# Altium PCB SAM_E54_Xplained_Pro.PcbDoc (part 2 of 5) (continued)
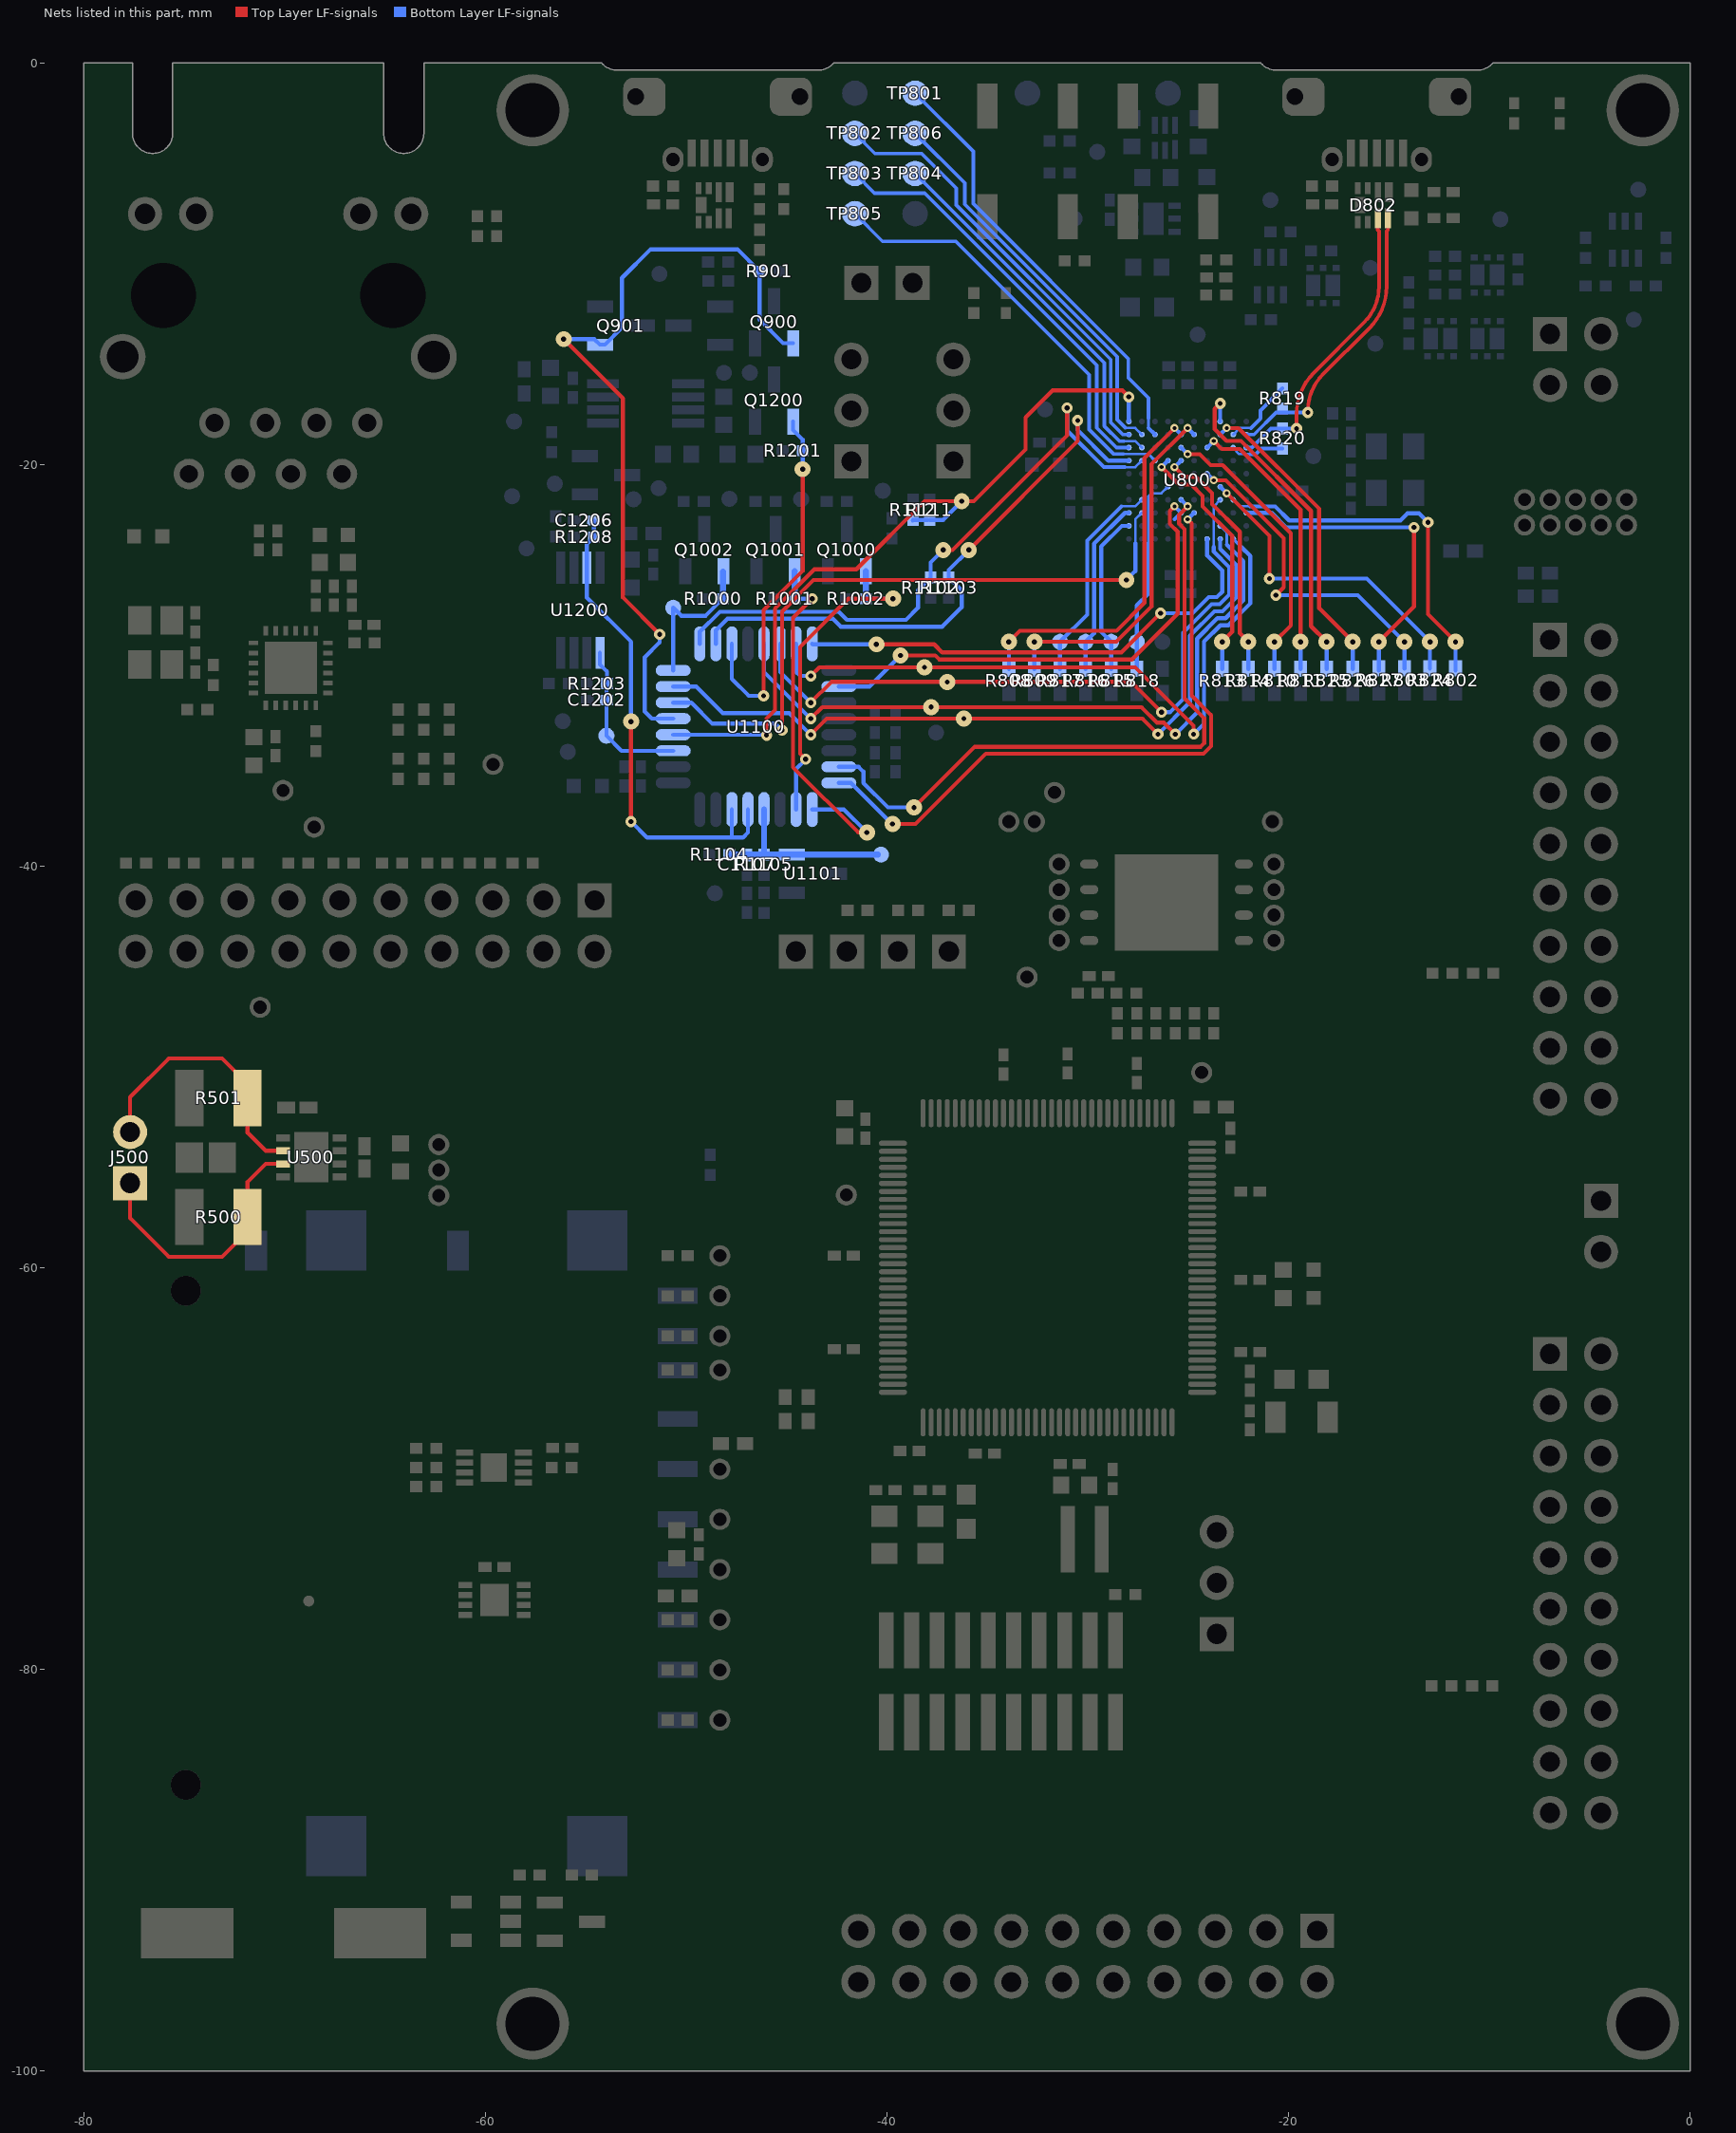
[diagram p4: the nets of this part, all layers, seen from the top]
## Part data (continued)
R500 R501: library part A02-0760, "Thick film resistor, SMD 1210, 0.5W, 1%", Manufacturer=vishay, MPN=CRCW121062R0FKEAHP, TemperatureRange="-55°C to +155°C", Tolerance=1%, AN=A02-0760, Height=0,699999988079071, PartGroup="Resistors,SMD,1210 1%"
R604: library part A02-0761, "Thick film resistor, SMD 0402, 1/16W, 1%, E48", Manufacturer=PHYCOMP, MPN=232270676492L, TemperatureRange="-55 - +125 deg C", Tolerance=1%, AN=A02-0761, Height=0,349999994039536, PartGroup="Resistors,SMD,0402 1%"
R605 R609 R613 R1102 R1103: library part A02-0228, "Thick film resistor, SMD 0402, 1/16W, 1%", Manufacturer=PHYCOMP, MPN="2322 706 74702L", TemperatureRange="-55� to +125�C", Tolerance="1 %", AN=A02-0228, Height=0,349999994039536, PartGroup="Resistors,SMD,0402 1%"
R713 R714 R715 R716 R717 R718: library part A02-0176, "Thick film resistor, SMD 0402, 1/16W, 1%", Manufacturer=ASJ, MPN=CR10-33R0-FK, TemperatureRange="-55 - +125 deg C", Tolerance="1 %", AN=A02-0176, Height=0,349999994039536, PartGroup="Resistors,SMD,0402 1%"
R821: library part A02-0539, "Thick film resistor, SMD 0402, 1/16W, 1%", Manufacturer=vishay, MPN=CRCW04026K81FKED, TemperatureRange="-55 - +125 deg C", Tolerance=1%, AN=A02-0539, Height=0,349999994039536, PartGroup="Resistors,SMD,0402 1%"
R900 R1006: library part A02-0884, "Thick film SMD 0402 1/16W 1%", Manufacturer="YAGEO CORP", MPN=RC0402FR-074M7L, TemperatureRange="-55 °C to +155 °C", Tolerance="1 %", AN=A02-0884, PartGroup="Resistors,SMD,0402 1%"
R1004: library part A02-0220, "Thick film resistor, SMD 0402, 1/16W, 1%", Manufacturer=ASJ, MPN=CR10-2201-FK, TemperatureRange="-55 - +125 deg C", Tolerance="1 %", AN=A02-0220, Height=0,349999994039536, PartGroup="Resistors,SMD,0402 1%"
R1105: library part A02-0248, "Thick film resistor, SMD 0402, 1/16W, 1%", Manufacturer=ASJ, MPN=CR10-3302-FK, TemperatureRange="-55 - +125 deg C", Tolerance="1 %", AN=A02-0248, Height=0,349999994039536, PartGroup="Resistors,SMD,0402 1%"
R1106: library part A02-0250, "Thick film resistor, SMD 0402, 1/16W, 1%", Manufacturer=ASJ, MPN=CR10-3902-FK, TemperatureRange="-55 - +125 deg C", Tolerance="1 %", AN=A02-0250, Height=0,349999994039536, PartGroup="Resistors,SMD,0402 1%"
R1200: library part A02-0896, "WSL0603R1000FEA, metal strip resistor, 0.1 Ohm, +-1%, 0603 SMD, 1/10 W, TEMPCO +-75 ppm/°C", Manufacturer=vishay, MPN=WSL0603R1000FEA, AN=A02-0896, Height=0,330000013113022, PartGroup="Resistors,Sense resistors,SMD Current Sense"
R1202 R1204: library part A02-0895, "ERA-3YEB101V, metal film, 100R ±0.1%, resistor in 0603 at 100mW, TEMPCO ±25ppm/°C, Max V=75V", Manufacturer=Panasonic, MPN=ERA3YEB101V, AN=A02-0895, Height=0,550000011920929, PartGroup="Resistors,Metal film,SMD Precision resistors"
R1205: library part A02-0208, "Thick film resistor, SMD 0402, 1/16W, 1%", Manufacturer=ASJ, MPN=CR10-6800-FK, TemperatureRange="-55 - +125 deg C", Tolerance="1 %", AN=A02-0208, Height=0,349999994039536, PartGroup="Resistors,SMD,0402 1%"
SW200 SW300: library part A08-0790, "6.2x6.2 mm SMD tact switch, same as A08-0091 but less force is needed", Manufacturer=ALPS, MPN=SKRAAKE010, TemperatureRange="-30 - +90 deg C", AN=A08-0790, Height=5,09999990463257, PartGroup="Mechanical devices,Switches,SMD"
TP200 TP300 TP800 TP801 TP802 TP803 TP804 TP805 TP806 TP807: library part A08-0004, "Single SMD testpad", AN=A08-0004, Height=0, PartGroup="Mechanical devices,Connectors,Test points"
U100: library part A06-0719, "LDO, 200 mA, Iq=31 uA, Vdo=250mV, Vout=3.3V, VIN= 2 V to 5.5V, SON-6 package", Manufacturer="Texas Instruments", MPN=TLV70033DSE, AN=A06-0719, Height=0,800000011920929, PartGroup="Integrated Circuits,Regulators,Linear"
U101: library part A06-1135, "Low noise LDO, 500 mA, Vout=3.3V, 2% accuracy, IQ=46uA, noise=28uVrms, VIN= 2.7V to 6.5V, Vdo=280mV,stable with low ESR capacitor", Manufacturer="Texas Instruments", MPN=TPS73533DRV, AN=A06-1135, Height=0,75, PartGroup="Integrated Circuits,Regulators,Linear"
U200: library part A06-1466, "Atmel 32-bit RISC MCU", Manufacturer=ATMEL, MPN=ATSAME54P20A-ANTES, TemperatureRange="-40°C +105°C", AN=A06-1466, Height=1,20000004768372, PartGroup="Integrated Circuits,MCU, MPU, DSP,ARM MCU"
U300: library part A06-1322, "Single, Low Voltage (1.8-5.5V), Low Power (0.35µA), low cost", Manufacturer=ROHM, MPN=BU7265SG-TR, TemperatureRange="-40°C to +105°C", AN=A06-1322, Height=1,25, PartGroup="Integrated Circuits,General linear,OP-AMP"
U500: library part A06-1172, "5Mbit/s CAN Trasceiver,VCC = 5V, VIO = 2.8-5V, 3x3 mm VDFN8", Manufacturer=ATMEL, MPN=ATA6561-GBQW, AN=A06-1172, Height=0,899999976158142, PartGroup="Integrated Circuits,Interface ICs,CAN"
U600: library part A06-1460, "10Base-T/100Base-TX PHY, RMII, EEE, WOL, 50MHz clock output", Manufacturer=Microchip, MPN=KSZ8091RNACA, TemperatureRange="0 to +70 deg C", AN=A06-1460, Height=0,850000023841858, PartGroup="Integrated Circuits,Interface ICs,Ethernet"
U700: library part A06-1169, "2kbit I2C EEPROM, single EUI-48 MAC, 1.7-5.5V, 2x3mm UDFN (8MA2)", Manufacturer=ATMEL, MPN=AT24MAC402-MAHM-T, TemperatureRange="–40°C to +85°C", AN=A06-1169, Height=0,600000023841858, PartGroup="Integrated Circuits,Memory,EEPROM"
U701: library part A06-1281, "ATECC508A with an I2C Interface and a 8 Pin UDFN Package with Paddle", Manufacturer=ATMEL, MPN=ATECC508A-MAHDA-T, AN=A06-1281, Height=0,600000023841858, PartGroup="Integrated Circuits,Special function,Encryption"
U702: library part A06-1459, "256 Mbit (32MB) QSPI flash, 3.3V, 108MHz, V-PDFN-8 (8x6mm)", Manufacturer=Micron, MPN=N25Q256A13EF840F, TemperatureRange="–40°C to 85°C", AN=A06-1459, Height=0,850000023841858, PartGroup="Integrated Circuits,Memory,FLASH"
U800: library part A06-0736, "AVR 32-bit RISC MCU", Manufacturer=ATMEL, MPN=AT32UC3A4256J-C1UR, TemperatureRange="-40 to +85 deg C", AN=A06-0736, Height=1, PartGroup="Integrated Circuits,MCU, MPU, DSP,AVR MCU"
U1100: library part A06-1023, "Atmel 32bit RISC MCU 32 pin", Manufacturer=ATMEL, MPN=ATSAMD20E17A-AUT, AN=A06-1023, Height=1,20000004768372, PartGroup="Integrated Circuits,MCU, MPU, DSP,ARM MCU"
U1101: library part A06-0123, "Adjustable shunt voltage regulator, 1.24 to 10V out", Manufacturer="Texas Instruments", MPN=LM4041CEM3-ADJ/NOPB, TemperatureRange="-40 to +85 deg. C", AN=A06-0123, Height=1, PartGroup="Integrated Circuits,Regulators,Voltage reference"
U1200: library part A06-1125, "AD8656, dual low noise precision OpAmp, rail-to-rail, low offset 250uV, GBP 28 MHz, 8MSOP", Manufacturer="Analog Devices", MPN=AD8656ARMZ, TemperatureRange="-40 to +125 deg celcius", AN=A06-1125, Height=1,10000002384186, PartGroup="Integrated Circuits,General linear,OP-AMP"
U1201: library part A06-1134, "Precision OpAmp, Zero-Drift 0.015uV/K, ultra low noise 5.6nV/sqrt(Hz), Vo=2uV, GBW=4MHz, single supply 2.2V to 5.5V or dual supply +-1V to +-2.75V, rail to rail, unity gain stable", Manufacturer="Analog Devices", MPN=ADA4528-1ARMZ, AN=A06-1134, Height=1,10000002384186, PartGroup="Integrated Circuits,General linear,OP-AMP"
XC300: library part A07-0129, "Kyocera ST3215SB32768E0HPWBB, 32.768kHz, 9pF, SMD tuning fork crystal", Manufacturer="Kyocera Crystal Device Corporation", MPN=ST3215SB32768E0HPWBB, TemperatureRange="-40°C to +85°C", Tolerance=±20ppm, AN=A07-0129, Height=0,800000011920929, PartGroup="Frequency devices,Crystals,SMD"
XC301: library part A07-0150, "Kyocera CX3225CA, 12MHz, 8pF, AEC-Q200, SMD crystal", Manufacturer="Kyocera Crystal Device Corporation", MPN=CX3225CA12000D0KPSC1, TemperatureRange="-40°C to +85°C", Tolerance=±30ppm, AN=A07-0150, Height=0,800000011920929, PartGroup="Frequency devices,Crystals,SMD"
XC600: library part A07-0149, "Kyocera CX3225SB, 25MHz, 8pF, AEC-Q200, SMD crystal", Manufacturer="Kyocera Crystal Device Corporation", MPN=CX3225SB25000D0KPSC1, TemperatureRange="-40°C to +85°C", Tolerance=±30ppm, AN=A07-0149, Height=0,550000011920929, PartGroup="Frequency devices,Crystals,SMD"
XC800: library part A07-0128, "Kyocera CX3225GB12000H0KPSC1, 12MHz, 12pF, SMD crystal", Manufacturer="Kyocera Crystal Device Corporation", MPN=CX3225GB12000H0KPSC1, TemperatureRange="-40°C to +85°C", Tolerance=±30ppm, AN=A07-0128, Height=0,800000011920929, PartGroup="Frequency devices,Crystals,SMD"

## Free pads (board coordinates)
  round 1.05 hole 0.65: 0(-71.225,-47.025) 0(-70.087,-36.225) 0(-68.538,-38.055) 0(-62.325,-56.405) 0(-62.325,-55.135) 0(-62.325,-53.865) 0(-59.625,-34.925) 0(-48.325,-82.53) 0(-48.325,-80.03) 0(-48.325,-77.53) 0(-48.325,-75.03) 0(-48.325,-72.53) 0(-48.325,-70.03) 0(-48.325,-65.1) 0(-48.325,-63.4) 0(-48.325,-61.4) 0(-48.325,-59.4) 0(-42.025,-56.375) 0(-33.93,-37.78) 0(-33.025,-45.525) 0(-32.66,-37.78) 0(-31.655,-36.325) 0(-31.425,-43.705) 0(-31.425,-42.435) 0(-31.425,-41.165) 0(-31.425,-39.895) 0(-24.325,-50.275) 0(-20.8,-37.777) 0(-20.725,-43.705) 0(-20.725,-42.435) 0(-20.725,-41.165) 0(-20.725,-39.895)
  round 1.05 on Top Paste: 0(-8.24,-21.74) 1(-6.97,-21.74) 2(-5.7,-21.74) 3(-4.43,-21.74) 4(-3.16,-21.74) 5(-3.16,-23.01) 6(-4.43,-23.01) 7(-5.7,-23.01) 8(-6.97,-23.01) 9(-8.24,-23.01)
  round 0.8 smd far side paste-1: 3(-58.675,-21.575) 3(-58.575,-17.85) 3(-57.95,-24.175) 3(-56.548,-20.95) 3(-56.15,-32.775) 3(-55.9,-34.3) 3(-53.975,-33.5) 3(-52.625,-21.725) 3(-51.375,-21.175) 3(-51.336,-10.5) 3(-50.649,-27.124) 3(-48.575,-41.35) 3(-48.125,-15.425) 3(-47.85,-21.7) 3(-46.83,-15.42) 3(-44.275,-21.725) 3(-40.3,-39.425) 3(-40.209,-21.3) 3(-37.55,-33.35) 3(-32.125,-17.25) 3(-31.38,-28.825) 3(-30.65,-7.75) 3(-30.105,-28.825) 3(-29.525,-4.424) 3(-28.83,-28.825) 3(-27.555,-28.825) 3(-26.28,-28.825) 3(-24.525,-13.525) 3(-20.9,-6.826) 3(-18.757,-19.575) 3(-15.925,-10.2) 3(-15.675,-13.975) 3(-9.446,-7.779) 3(-2.8,-12.775) 3(-2.575,-6.3)
  round 3.6 hole 2.7 paste-2.6: 666(-57.65,-97.65) 666(-57.65,-2.35) 666(-2.35,-97.65) 666(-2.35,-2.35)

## Via types
v1: diameter 0.55, hole 0.25, Top Layer LF-signals to Bottom Layer LF-signals, 333 vias
v2: diameter 0.55, hole 0.25, Top Layer LF-signals to Bottom Layer LF-signals, tented both sides, 116 vias
v3: diameter 0.55/0.8 (per signal layer), hole 0.25, Top Layer LF-signals to Bottom Layer LF-signals, tented top, 65 vias
v4: diameter 0.55, hole 0.25, Top Layer LF-signals to Bottom Layer LF-signals, tented top, 13 vias
v5: diameter 0.4, hole 0.2, Top Layer LF-signals to Bottom Layer LF-signals, tented top, 10 vias
v6: diameter 0.4, hole 0.2, Top Layer LF-signals to Bottom Layer LF-signals, tented both sides, 8 vias
v7: diameter 0.7, hole 0.35, Top Layer LF-signals to Bottom Layer LF-signals, 4 vias
v8: diameter 0.4, hole 0.2, Top Layer LF-signals to Bottom Layer LF-signals, 3 vias

## Nets (pads, with @x,y where several pads share a name; then routed paths per layer and width w, separated by ;. In a path a pad name is that pad's centre, name@x,y a point inside that pad or via, vN(x,y) a via of type N, cw(c..) or ccw(c..) an arc to the next point about the centre after c; other vN are vias at no path point)
CANH: J500.1 R500.2 U500.7 | length 13.5
  Top Layer LF-signals w0.2: J500.1@-77.7,-55.782 -77.7,-57.525 -75.775,-59.45 -73.125,-59.45 -71.85,-58.175 R500.2@-71.85,-57.475 ; R500.2@-71.85,-57.45 -71.85,-55.725 -70.95,-54.825 U500.7@-70.087,-54.825
CANL: J500.2 R501.1 U500.6 | length 13.5
  Top Layer LF-signals w0.2: J500.2@-77.7,-53.242 -77.7,-51.5 -75.775,-49.575 -73.125,-49.575 -71.85,-50.85 R501.1@-71.85,-51.55 -71.85,-53.275 -70.95,-54.175 U500.6@-70.087,-54.175
CM_PA00_GPIO: Q1001.1 R1001.1 U1100.1 | length 19.3
  Top Layer LF-signals w0.2: v1(-43.725,-26.675) -44.675,-27.625 -44.675,-35.075 -41.425,-38.325 v3(-41,-38.325)
  Bottom Layer LF-signals w0.2: R1001.1@-44.6,-26.675 v1(-43.725,-26.675) ; U1100.1@-43.724,-37.176 -42.149,-37.176 v3(-41,-38.325)
  Bottom Layer LF-signals w0.3: R1001.1@-44.6,-26.675 Q1001.1@-44.6,-25.3
CM_PA01_GPIO: Q1000.1 R1002.1 U1100.2 | length 16.8
  Top Layer LF-signals w0.2: v1(-44.05,-34.675) -44.325,-34.4 -44.325,-29.074 -41.926,-26.675 v3(-39.7,-26.675)
  Bottom Layer LF-signals w0.2: U1100.2@-44.524,-37.176 -44.524,-35.149 v1(-44.05,-34.675) ; R1002.1@-41.05,-26.675 v3(-39.7,-26.675)
  Bottom Layer LF-signals w0.3: R1002.1@-41.05,-26.675 Q1000.1@-41.05,-25.3
CM_PA03_VREFA: C1107.1 pad.3@-40.3,-39.425 R1104.1 R1105.2 U1100.4 U1101.2 | length 9.6
  Bottom Layer LF-signals w0.3: R1104.1@-47.825,-39.425 -46.975,-39.425 R1105.2@-46.125,-39.425 ; U1100.4@-46.124,-37.176 R1105.2@-46.125,-39.425 -46.123,-39.425 U1101.2@-44.735,-39.425 pad.3@-40.45,-39.425
CM_PA05_AIN5: C1206.2 R1208.2 U1100.5 U1100.6 U1200.7 | length 24.9
  Top Layer LF-signals w0.2: v1(-52.75,-37.775) v3(-52.75,-32.799)
  Bottom Layer LF-signals w0.2: C1206.2@-54.625,-22.775 -54.6,-22.8 R1208.2@-54.6,-23.6 -54.95,-23.95 U1200.7@-54.95,-25.125 -54.95,-26.625 -52.75,-28.825 v3(-52.75,-32.799) v3@-52.75,-32.8 ; v1(-52.75,-37.775) -51.95,-38.575 -47.174,-38.575 -46.924,-38.325 U1100.5@-46.924,-37.176 ; -47.724,-38.574 U1100.6@-47.724,-37.176
CM_PA08_AIN16: C1202.2 pad.3@-53.975,-33.5 R1203.2 U1100.11 U1200.1 | length 7.9
  Bottom Layer LF-signals w0.2: U1200.1@-54.3,-29.375 -54.3,-29.95 -53.95,-30.3 R1203.2@-53.95,-30.9 ; R1203.2@-53.975,-30.925 C1202.2@-53.975,-31.725 pad.3@-53.975,-33.5 -53.224,-34.251 U1100.11@-50.649,-34.251
CM_PA09_AIN17: R111.1 R112.2 U800.K10 U1100.12 | length 38.3
  Top Layer LF-signals w0.2: v1(-46,-33.475) -46,-32.65 -45.575,-32.225 -45.575,-27.171 -43.618,-25.214 -41.525,-25.214 -38.136,-21.825 v3(-36.275,-21.825) -35.676,-21.825 -33.1,-19.249 -33.1,-17.65 -31.751,-16.301 -28.274,-16.301 v1(-27.95,-16.625)
  Bottom Layer LF-signals w0.2: U1100.12@-50.649,-33.451 -46.024,-33.451 v1(-46,-33.475) ; R112.2@-38.725,-22.775 R112.2@-38.7,-22.75 R111.1@-37.975,-22.75 ; R111.1@-37.875,-22.75 -37.2,-22.75 v3(-36.275,-21.825) ; U800.K10@-27.95,-17.85 v1(-27.95,-16.625)
CM_PA10_GPIO: Q900.1 Q901.1 R901.2 U1100.13 | length 40.7
  Top Layer LF-signals w0.2: v3(-56.106,-13.748) -53.15,-16.704 -53.15,-26.625 v2(-51.325,-28.45)
  Bottom Layer LF-signals w0.2: v3(-56.106,-13.748) -54.577,-13.748 Q901.1@-54.3,-14.025 -54.05,-14.025 -53.2,-13.175 -53.2,-10.7 -51.775,-9.275 -47.45,-9.275 R901.2@-46.35,-10.375 -46.35,-12.775 -45.175,-13.95 Q900.1@-44.675,-13.95 ; v2(-51.325,-28.45) -51.325,-28.85 -52.068,-29.593 -52.068,-32.296 -51.712,-32.651 U1100.13@-50.649,-32.651
CM_PA11_GCLK5: U800.J3 U1100.14 | length 33.4
  Top Layer LF-signals w0.2: v1(-45.225,-33.225) -45.225,-27.316 -43.659,-25.75 v3(-28.075,-25.75)
  Bottom Layer LF-signals w0.125: -27.629,-23.929 -27.629,-22.729 U800.J3@-27.3,-22.4
  Bottom Layer LF-signals w0.2: U1100.14@-50.649,-31.851 -49.749,-31.851 -48.7,-32.9 -45.55,-32.9 v1(-45.225,-33.225) ; v3(-28.075,-25.75) -27.629,-25.304 -27.629,-23.929
CM_PA14_GCLK0: U800.C1 U1100.15 | length 37.7
  Top Layer LF-signals w0.2: v1(-43.8,-33.45) -43,-32.65 v3(-36.175,-32.65) -27.275,-32.65 v1(-26.5,-33.425)
  Bottom Layer LF-signals w0.2: U1100.15@-50.649,-31.051 -49.499,-31.051 -48.175,-32.375 -44.875,-32.375 v1(-43.8,-33.45) ; v1(-26.5,-33.425) -24.902,-31.827 -24.902,-28.518 -23.684,-27.3 -23.28,-27.3 -22.6,-26.62 -22.6,-25 -23.4,-24.2 U800.C1@-23.4,-23.7
CM_PA15_GPIO: pad.3@-50.649,-27.124 Q1002.1 R1000.1 U1100.16 | length 7.5
  Bottom Layer LF-signals w0.2: U1100.16@-50.649,-30.251 pad.3@-50.649,-27.124 -50.248,-27.525 -49.025,-27.525 R1000.1@-48.175,-26.675
  Bottom Layer LF-signals w0.3: R1000.1@-48.175,-26.675 Q1002.1@-48.175,-25.325
CM_PA16_SERCOM1_SDA: R1102.1 U800.J7 U1100.17 | length 31.4
  Top Layer LF-signals w0.2: v3(-37.2,-24.25) -36.735,-24.25 -31.025,-18.54 v2(-31.025,-17.175)
  Bottom Layer LF-signals w0.125: -28.15,-20.125 -27.625,-20.125 U800.J7@-27.3,-19.8
  Bottom Layer LF-signals w0.2: U1100.17@-49.324,-28.926 -49.324,-28.324 -48.325,-27.325 -42.4,-27.325 -42,-27.725 -39.05,-27.725 -38.45,-27.125 -38.45,-26.253 R1102.1@-37.825,-25.628 -37.825,-24.875 v3(-37.2,-24.25) ; v2(-31.025,-17.175) -31.013,-17.187 -31.013,-17.57 -31.025,-17.583 -31.025,-18.017 -31.013,-18.03 -31.013,-18.308 -29.196,-20.125 -28.15,-20.125
CM_PA17_SERCOM1_SCL: R1103.1 U800.K7 U1100.18 | length 29.6
  Top Layer LF-signals w0.2: v3(-35.925,-24.25) -30.5,-18.825 v1(-30.5,-17.8)
  Bottom Layer LF-signals w0.2: U1100.18@-48.524,-28.926 -48.524,-28.25 -47.949,-27.675 -42.7,-27.675 -42.3,-28.075 -37.25,-28.075 -36.275,-27.1 -36.275,-26.278 R1103.1@-36.925,-25.628 -36.925,-25.25 v3(-35.925,-24.25) ; v1(-30.5,-17.8) -30.5,-18.275 -28.975,-19.8 U800.K7@-27.95,-19.8
CM_PA18_CMP0: Q1200.1 R1201.2 U1100.19 | length 18.3
  Top Layer LF-signals w0.2: v1(-46.149,-31.512) -46.149,-27.25 -44.2,-25.301 v3(-44.2,-20.225)
  Bottom Layer LF-signals w0.2: U1100.19@-47.724,-28.926 -47.724,-30.675 -46.887,-31.512 v1(-46.149,-31.512) ; Q1200.1@-44.675,-17.85 -44.675,-18.275 -44.2,-18.75 R1201.2@-44.2,-19.3 v3(-44.2,-20.225)
CM_PA22_SERCOM3_PAD0_SPI_MOSI: U800.C2 U1100.21 | length 36.1
  Top Layer LF-signals w0.2: v1(-43.8,-32.65) -43.225,-32.075 v3(-37.8,-32.075) -27.32,-32.075 -26.545,-32.85 -26.21,-32.85 v1(-25.635,-33.425)
  Bottom Layer LF-signals w0.125: U800.C2@-23.4,-23.05 -23.075,-23.375 -23.075,-23.983
  Bottom Layer LF-signals w0.2: U1100.21@-46.124,-28.926 -46.124,-30.326 v1(-43.8,-32.65) ; v1(-25.635,-33.425) -24.552,-32.343 -24.552,-28.663 -23.54,-27.65 -23.135,-27.65 -22.25,-26.765 -22.25,-24.808 -23.075,-23.983
CM_PA23_SERCOM3_PAD1_SPI_SCK: U800.C4 U1100.22 | length 35
  Top Layer LF-signals w0.2: v1(-43.8,-31.85) -42.77,-30.82 -27.833,-30.82 v1(-26.328,-32.325)
  Bottom Layer LF-signals w0.125: -23.725,-24.104 -23.722,-24.101 -23.722,-22.072 U800.C4@-23.4,-21.75
  Bottom Layer LF-signals w0.2: U1100.22@-45.324,-28.926 -45.324,-30.326 v1(-43.8,-31.85) ; v1(-26.328,-32.325) -25.895,-32.325 -25.252,-31.682 -25.252,-28.373 -23.829,-26.95 -23.425,-26.95 -22.95,-26.475 -22.95,-25.101 -23.725,-24.326 -23.725,-24.104
  other v3: -37,-30.825
CM_PA24_SERCOM3_PAD2_SPI_MISO: U800.B1 U1100.23 | length 34.6
  Top Layer LF-signals w0.2: v1(-43.8,-30.525) -43.37,-30.095 v3(-38.13,-30.095) -27.63,-30.095 -24.725,-33 v1(-24.725,-33.425)
  Bottom Layer LF-signals w0.15: U800.B1@-22.75,-23.7 -22.35,-24.1
  Bottom Layer LF-signals w0.2: U1100.23@-44.524,-28.926 -44.524,-30.326 -44.325,-30.525 v1(-43.8,-30.525) ; v1(-24.725,-33.425) -24.202,-32.902 -24.202,-28.808 -23.395,-28 -22.99,-28 -21.9,-26.91 -21.9,-24.55 -22.35,-24.1
CM_PA25_SPI_SS: U800.D1 U1100.24 | length 24.8
  Top Layer LF-signals w0.2: v3(-40.525,-28.95) -37.65,-28.95 -37.25,-29.35 -28.325,-29.35 v1(-26.375,-27.4)
  Bottom Layer LF-signals w0.2: U1100.24@-43.724,-28.926 -43.7,-28.95 v3(-40.525,-28.95) ; v1(-26.375,-27.4) -24.774,-27.4 -23.974,-26.6 -23.57,-26.6 -23.3,-26.33 -23.3,-25.275 -24.05,-24.525 U800.D1@-24.05,-23.7
CM_PA30_SWCLK: U800.F4 U1100.31 | length 33.6
  Top Layer LF-signals w0.2: v3(-38.65,-37.075) -35.625,-34.05 -24.375,-34.05 -24.2,-33.875 -24.2,-32.62 -25.175,-31.645 -25.175,-23.214 -25.45,-22.939 -25.45,-22.5 v8(-25.025,-22.075)
  Bottom Layer LF-signals w0.2: U1100.31@-42.399,-35.051 -41.411,-35.051 -41.175,-35.287 -41.175,-35.85 -39.95,-37.075 v3(-38.65,-37.075) ; U800.F4@-25.35,-21.75 v8(-25.025,-22.075)
CM_PA31_SWDIO: U800.E3 U1100.32 | length 33.2
  Top Layer LF-signals w0.2: v3(-39.725,-37.9) -38.575,-37.9 -35.075,-34.4 -24.23,-34.4 -23.85,-34.02 -23.85,-32.475 -24.825,-31.5 -24.825,-22.925 v8(-25.025,-22.725)
  Bottom Layer LF-signals w0.2: U1100.32@-42.399,-35.851 -41.799,-35.851 -39.75,-37.9 v3(-39.725,-37.9) ; v8(-25.025,-22.725) U800.E3@-24.7,-22.4
CM_RESET_N: U800.F3 U1100.26 | length 25.1
  Top Layer LF-signals w0.2: v3(-39.327,-29.5) -37.595,-29.5 -37.395,-29.7 -27.79,-29.7 -25.519,-27.429 -25.519,-23.336 -25.906,-22.949 -25.906,-22.306 v8(-25.675,-22.075)
  Bottom Layer LF-signals w0.2: U1100.26@-42.399,-31.051 -40.878,-31.051 v3(-39.327,-29.5) ; -25.675,-22.725 U800.F3@-25.35,-22.4 v8(-25.675,-22.075)
DGI_GPIO0: R810.2 U800.F8 | length 14.3
  Top Layer LF-signals w0.2: v6(-25.025,-19.475) -24.425,-19.475 -23.875,-20.025 -23.275,-20.025 -19.884,-23.416 -19.884,-28.008 v3(-20.7,-28.825)
  Bottom Layer LF-signals w0.2: U800.F8@-25.35,-19.15 v6(-25.025,-19.475) ; R810.2@-20.7,-30.175 v3(-20.7,-28.825)
DGI_GPIO1: R811.2 U800.D8 | length 14.1
  Top Layer LF-signals w0.2: v6(-23.725,-18.825) -23.325,-19.225 -22.426,-19.225 -19.4,-22.251 v3(-19.4,-28.825)
  Bottom Layer LF-signals w0.2: U800.D8@-24.05,-19.15 v6(-23.725,-18.825) ; R811.2@-19.4,-30.175 v3(-19.4,-28.825)
DGI_GPIO2: R825.2 U800.C10 | length 17
  Top Layer LF-signals w0.2: v1(-23.4,-16.95) -23.675,-17.225 -23.675,-18.225 -23.084,-18.816 -22.364,-18.816 -18.875,-22.305 -18.875,-28.05 v3(-18.1,-28.825)
  Bottom Layer LF-signals w0.2: U800.C10@-23.4,-17.85 v1(-23.4,-16.95) ; R825.2@-18.1,-30.175 v3(-18.1,-28.825)
DGI_GPIO3: R826.2 U800.C9 | length 15.4
  Top Layer LF-signals w0.2: v5(-23.075,-18.175) -22.495,-18.175 -18.471,-22.198 -18.471,-27.153 v3(-16.8,-28.825)
  Bottom Layer LF-signals w0.2: U800.C9@-23.4,-18.5 v5(-23.075,-18.175) ; R826.2@-16.8,-30.175 v3(-16.8,-28.825)
EDBG_CDC_USART_RX: R808.1 U800.F9 | length 18.7
  Top Layer LF-signals w0.2: v3(-33.93,-28.825) -33.38,-28.274 -28.566,-28.274 -27.175,-26.883 -27.175,-19.675 v5(-25.675,-18.175)
  Bottom Layer LF-signals w0.2: R808.1@-33.93,-30.175 v3(-33.93,-28.825) ; v5(-25.675,-18.175) U800.F9@-25.35,-18.5
EDBG_CDC_USART_TX: R809.2 U800.E9 | length 18
  Top Layer LF-signals w0.2: v3(-32.655,-28.825) -28.575,-28.825 -26.825,-27.075 -26.825,-19.975 v5(-25.025,-18.175)
  Bottom Layer LF-signals w0.2: R809.2@-32.655,-30.175 v3(-32.655,-28.825) ; v5(-25.025,-18.175) U800.E9@-24.7,-18.5
EDBG_DGI_SCL: R814.1 U800.F7 | length 12.3
  Top Layer LF-signals w0.2: v6(-25.675,-20.125) -25.2,-20.6 -24.625,-20.6 -23.804,-21.421 -23.804,-21.971 -22.426,-23.349 -22.426,-28.399 v3(-22,-28.825)
  Bottom Layer LF-signals w0.2: v6(-25.675,-20.125) U800.F7@-25.35,-19.8 ; v3@-22.003,-28.896 -22,-28.9 R814.1@-22,-30.175
EDBG_DGI_SDA: R813.1 U800.G7 | length 12.5
  Top Layer LF-signals w0.2: v6(-26.325,-20.125) -25.45,-21 -24.835,-21 -24.275,-21.56 -24.275,-22.075 -22.8,-23.55 -22.8,-28.325 v3(-23.3,-28.825)
  Bottom Layer LF-signals w0.2: v6(-26.325,-20.125) U800.G7@-26,-19.8 ; R813.1@-23.295,-30.175 v3@-23.295,-28.9
EDBG_FORCE_BOOT: TP801.1 U800.H9 | length 22
  Bottom Layer LF-signals w0.125: -26.976,-18.174 -26.976,-17.684
  Bottom Layer LF-signals w0.175: TP801.1@-38.6,-1.5 -35.7,-4.4 -35.7,-7 -27.976,-14.724 -27.976,-15.676 -26.976,-16.675 -26.976,-17.684
  Bottom Layer LF-signals w0.2: -26.976,-18.174 U800.H9@-26.65,-18.5 ; -26.976,-17.684 -26.975,-17.685
EDBG_JTAG_TCK: TP802.1 U800.K9 | length 22.2
  Bottom Layer LF-signals w0.175: TP802.1@-41.6,-3.5 -40.6,-4.5 -38.275,-4.5 -36.55,-6.225 -36.55,-7.069 -28.85,-14.769 -28.85,-17.9 -28.25,-18.5 U800.K9@-27.95,-18.5
EDBG_JTAG_TDI: TP803.1 U800.K8 | length 21.1
  Bottom Layer LF-signals w0.175: TP803.1@-41.6,-5.5 -40.625,-6.475 -38.125,-6.475 -29.55,-15.05 -29.55,-18.165 -28.565,-19.15 U800.K8@-27.95,-19.15
EDBG_JTAG_TDO: TP804.1 U800.J8 | length 18.8
  Bottom Layer LF-signals w0.125: -28.2,-18.825 -27.625,-18.825 U800.J8@-27.3,-19.15
  Bottom Layer LF-signals w0.175: TP804.1@-38.6,-5.5 -29.175,-14.925 -29.175,-18.081 -28.431,-18.825 -28.2,-18.825
EDBG_JTAG_TMS: TP805.1 U800.H7 | length 21.6
  Bottom Layer LF-signals w0.125: -28.225,-19.475 -26.975,-19.475
  Bottom Layer LF-signals w0.15: -26.975,-19.475 U800.H7@-26.65,-19.8
  Bottom Layer LF-signals w0.175: TP805.1@-41.6,-7.5 -40.223,-8.877 -36.573,-8.877 -29.925,-15.525 -29.925,-18.25 -28.7,-19.475 -28.225,-19.475
EDBG_RESET_N: TP806.1 U800.J9 | length 20
  Bottom Layer LF-signals w0.125: -28.115,-18.175 -27.625,-18.175 U800.J9@-27.3,-18.5
  Bottom Layer LF-signals w0.175: TP806.1@-38.6,-3.5 -36.125,-5.975 -36.125,-7.035 -28.537,-14.622 -28.537,-17.753 -28.115,-18.175
EDBG_SPI_DGI_MISO: pad.3@-28.83,-28.825 R815.1 U800.K2 | length 8.1
  Bottom Layer LF-signals w0.2: R815.1@-28.83,-30.175 pad.3@-28.83,-28.825 -29.33,-28.325 -29.33,-24.078 -28.302,-23.05 U800.K2@-27.95,-23.05
EDBG_SPI_DGI_MOSI: pad.3@-30.105,-28.825 R816.2 U800.K3 | length 8.8
  Bottom Layer LF-signals w0.2: R816.2@-30.105,-30.175 pad.3@-30.105,-28.825 -29.68,-28.4 -29.68,-23.933 -28.147,-22.4 U800.K3@-27.95,-22.4
EDBG_SPI_DGI_SCK: pad.3@-31.38,-28.825 R817.2 U800.J4 | length 10.5
  Bottom Layer LF-signals w0.125: -28.325,-22.075 -27.625,-22.075 U800.J4@-27.3,-21.75
  Bottom Layer LF-signals w0.2: R817.2@-31.38,-30.175 pad.3@-31.38,-28.825 -30.03,-27.475 -30.03,-23.78 -28.325,-22.075
EDBG_SPI_DGI_SS: pad.3@-27.555,-28.825 R818.2 U800.G5 | length 10
  Bottom Layer LF-signals w0.125: -26.975,-23.9 -26.975,-21.575 -26.825,-21.425 -26.325,-21.425 U800.G5@-26,-21.1
  Bottom Layer LF-signals w0.2: R818.2@-27.555,-30.175 pad.3@-27.555,-28.825 -27.555,-27.005 -26.975,-26.425 -26.975,-23.9
EDBG_TARGET_RESET: R802.1 U800.B4 | length 18.4
  Top Layer LF-signals w0.2: v1(-13.05,-22.875) -13.05,-27.449 v3(-11.674,-28.825)
  Bottom Layer LF-signals w0.125: U800.B4@-22.75,-21.75 -22.425,-22.075 -21.953,-22.075
  Bottom Layer LF-signals w0.15: -21.953,-22.075 -21.917,-22.075
  Bottom Layer LF-signals w0.2: -21.917,-22.075 -20.667,-22.075 -19.966,-22.776 -14.426,-22.776 -14.075,-22.425 -13.5,-22.425 v1(-13.05,-22.875) ; R802.1@-11.674,-30.25 R802.1@-11.674,-30.15 v3(-11.674,-28.825)
EDBG_TARGET_SWCLK: R803.2 U800.D6 | length 16.8
  Top Layer LF-signals w0.2: v5(-23.725,-20.775) -23.125,-20.775 -20.234,-23.666 -20.234,-26.109 v1(-20.625,-26.5)
  Bottom Layer LF-signals w0.2: U800.D6@-24.05,-20.45 v5(-23.725,-20.775) ; v1(-20.625,-26.5) -16.55,-26.5 v3(-14.225,-28.825) R803.2@-14.225,-30.15
EDBG_TARGET_SWDIO: R824.2 U800.C5 | length 16.2
  Top Layer LF-signals w0.2: v5(-23.075,-21.425) -20.95,-23.55 v1(-20.95,-25.675)
  Bottom Layer LF-signals w0.2: U800.C5@-23.4,-21.1 v5(-23.075,-21.425) ; v1(-20.95,-25.675) -16.1,-25.675 v3(-12.95,-28.825) R824.2@-12.95,-30.15
EDBG_TARGET_SWO: R827.2 U800.A3 | length 16.5
  Top Layer LF-signals w0.2: v3(-15.5,-28.825) -13.751,-27.075 v1(-13.751,-23.126)
  Bottom Layer LF-signals w0.2: U800.A3@-22.1,-22.4 -20.842,-22.4 -20.116,-23.126 v1(-13.751,-23.126) ; R827.2@-15.5,-30.25 R827.2@-15.5,-30.15 v3(-15.5,-28.825)
EDBG_USB_FS_N: R819.2 U800.B9 | length 3.6
  Bottom Layer LF-signals w0.125: U800.B9@-22.75,-18.5 -22.425,-18.175 -21.875,-18.175
  Bottom Layer LF-signals w0.18: -21.875,-18.175 -21.4,-17.7 -21.4,-17.3 R819.2@-20.3,-16.2
EDBG_USB_FS_P: R820.2 U800.B8 | length 2.7
  Bottom Layer LF-signals w0.125: U800.B8@-22.751,-19.174 -22.448,-19.476 -21.93,-19.476
  Bottom Layer LF-signals w0.18: -21.93,-19.476 -21.626,-19.476 -21.35,-19.2 R820.2@-20.3,-19.2
EDBG_USB_HS_N: D802.8 R819.1 U800.A9 | length 14.6
  Top Layer LF-signals w0.18: v4(-19.035,-17.4) -19.035,-17.312 cw(c-16.495,-17.312) -18.291,-15.516 -15.965,-13.19 ccw(c-18.03,-11.125) -15.11,-11.125 -15.11,-8.375 -15.05,-8.315 D802.8@-15.05,-7.725
  Bottom Layer LF-signals w0.18: U800.A9@-22.1,-18.5 -21.712,-18.5 -20.612,-17.4 -20.3,-17.4 v4(-19.035,-17.4)
EDBG_USB_HS_P: D802.7 R820.1 U800.A8 | length 14.9
  Top Layer LF-signals w0.18: v4(-19.6,-18.2) -19.6,-17.497 cw(c-16.68,-17.497) -18.746,-15.434 cw(c-16.68,-17.497) -18.745,-15.432 -16.234,-12.922 ccw(c-18.03,-11.125) -15.49,-11.125 -15.49,-8.375 -15.55,-8.315 D802.7@-15.55,-7.725
  Bottom Layer LF-signals w0.18: U800.A8@-22.1,-19.15 -22.073,-19.15 -22.068,-19.145 -21.82,-19.145 -20.875,-18.2 R820.1@-20.3,-18.2 v4(-19.6,-18.2)